# KiCad board first_keyboard.kicad_pcb (continued)
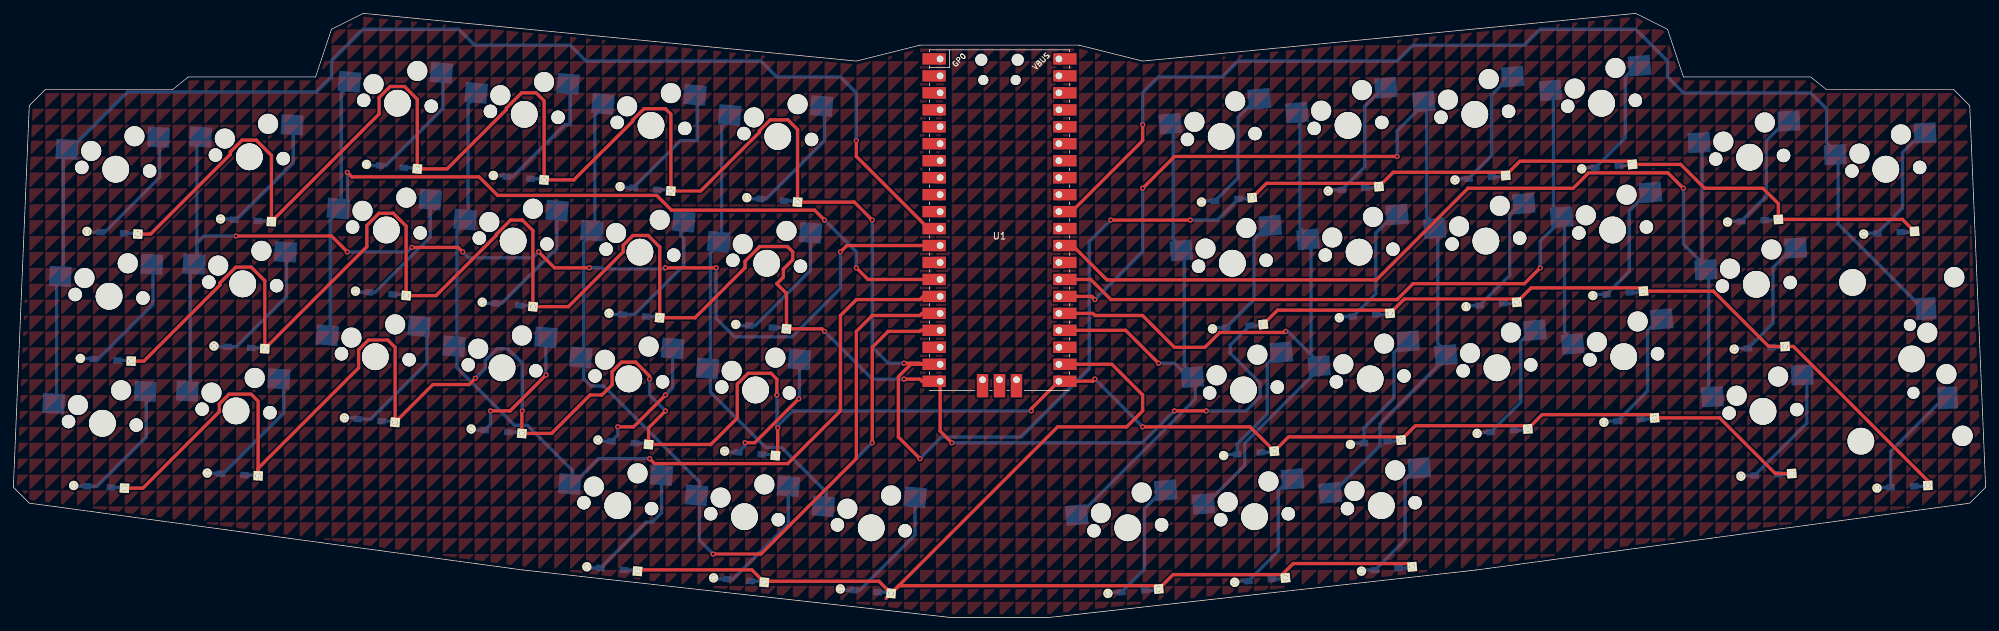
[diagram p0: board, top side]
## Copper pours and planes (outline as drawn; the poured copper is in the pictures) (continued)
(no net) on Top, Bottom: 300.04,71.44 300.04,69.06 302.42,71.44
(no net) on Top, Bottom: 295.27,54.77 295.27,52.39 297.66,54.77
(no net) on Top, Bottom: 102.39,19.05 102.39,16.67 104.77,19.05
(no net) on Top, Bottom: 140.49,-35.72 140.49,-38.1 142.88,-35.72
(no net) on Top, Bottom: 176.21,-30.96 176.21,-33.34 178.59,-30.96
(no net) on Top, Bottom: 164.31,57.15 164.31,54.77 166.69,57.15
(no net) on Top, Bottom: 4.76,104.78 4.76,102.39 7.14,104.78
(no net) on Top, Bottom: 195.26,7.14 195.26,4.76 197.64,7.14
(no net) on Top, Bottom: 69.06,-23.81 69.06,-26.19 71.44,-23.81
(no net) on Top, Bottom: 88.11,23.81 88.11,21.43 90.49,23.81
(no net) on Top, Bottom: 276.22,78.58 276.22,76.2 278.61,78.58
(no net) on Top, Bottom: 230.98,61.91 230.98,59.53 233.36,61.91
(no net) on Top, Bottom: 245.27,30.96 245.27,28.57 247.65,30.96
(no net) on Top, Bottom: 207.17,38.1 207.17,35.72 209.55,38.1
(no net) on Top, Bottom: 180.98,116.68 180.98,114.3 183.36,116.68
(no net) on Top, Bottom: 142.88,140.49 142.88,138.11 145.26,140.49
(no net) on Top, Bottom: 45.24,71.44 45.24,69.06 47.62,71.44
(no net) on Top, Bottom: 240.51,64.29 240.51,61.91 242.89,64.29
(no net) on Top, Bottom: 261.94,85.72 261.94,83.34 264.32,85.72
(no net) on Top, Bottom: 85.73,-9.53 85.73,-11.91 88.11,-9.53
(no net) on Top, Bottom: 107.16,19.05 107.16,16.67 109.54,19.05
(no net) on Top, Bottom: 28.58,116.68 28.58,114.3 30.96,116.68
(no net) on Top, Bottom: 173.83,78.58 173.83,76.2 176.21,78.58
(no net) on Top, Bottom: 283.37,97.63 283.37,95.25 285.75,97.63
(no net) on Top, Bottom: 164.31,-4.76 164.31,-7.14 166.69,-4.76
(no net) on Top, Bottom: 266.7,114.3 266.7,111.92 269.08,114.3
(no net) on Top, Bottom: 66.67,61.91 66.67,59.53 69.06,61.91
(no net) on Top, Bottom: 133.35,147.64 133.35,145.26 135.73,147.64
(no net) on Top, Bottom: 23.81,-4.76 23.81,-7.14 26.19,-4.76
(no net) on Top, Bottom: 247.65,145.26 247.65,142.88 250.03,145.26
(no net) on Top, Bottom: 140.49,116.68 140.49,114.3 142.88,116.68
(no net) on Top, Bottom: 154.78,128.59 154.78,126.21 157.16,128.59
(no net) on Top, Bottom: 107.16,38.1 107.16,35.72 109.54,38.1
(no net) on Top, Bottom: 69.06,130.97 69.06,128.59 71.44,130.97
(no net) on Top, Bottom: 283.37,38.1 283.37,35.72 285.75,38.1
(no net) on Top, Bottom: 28.58,92.87 28.58,90.49 30.96,92.87
(no net) on Top, Bottom: 38.1,104.78 38.1,102.39 40.48,104.78
(no net) on Top, Bottom: 223.84,40.48 223.84,38.1 226.22,40.48
(no net) on Top, Bottom: 278.61,-19.05 278.61,-21.43 280.99,-19.05
(no net) on Top, Bottom: 150.02,145.26 150.02,142.88 152.4,145.26
(no net) on Top, Bottom: 166.69,30.96 166.69,28.57 169.07,30.96
(no net) on Top, Bottom: 0,-35.72 0,-38.1 2.38,-35.72
(no net) on Top, Bottom: 176.21,59.53 176.21,57.15 178.59,59.53
(no net) on Top, Bottom: 173.83,76.2 173.83,73.82 176.21,76.2
(no net) on Top, Bottom: 33.34,83.34 33.34,80.96 35.72,83.34
(no net) on Top, Bottom: 69.06,-7.14 69.06,-9.53 71.44,-7.14
(no net) on Top, Bottom: 257.18,19.05 257.18,16.67 259.56,19.05
(no net) on Top, Bottom: 211.93,26.19 211.93,23.81 214.31,26.19
(no net) on Top, Bottom: 233.36,119.06 233.36,116.68 235.74,119.06
(no net) on Top, Bottom: 138.11,42.86 138.11,40.48 140.49,42.86
(no net) on Top, Bottom: 45.24,78.58 45.24,76.2 47.62,78.58
(no net) on Top, Bottom: 52.39,-26.19 52.39,-28.57 54.77,-26.19
(no net) on Top, Bottom: 145.26,-7.14 145.26,-9.53 147.64,-7.14
(no net) on Top, Bottom: 38.1,116.68 38.1,114.3 40.48,116.68
(no net) on Top, Bottom: 128.59,-35.72 128.59,-38.1 130.97,-35.72
(no net) on Top, Bottom: 252.41,-11.91 252.41,-14.29 254.79,-11.91
(no net) on Top, Bottom: 83.34,121.44 83.34,119.06 85.73,121.44
(no net) on Top, Bottom: 264.32,30.96 264.32,28.57 266.7,30.96
(no net) on Top, Bottom: 4.76,19.05 4.76,16.67 7.14,19.05
(no net) on Top, Bottom: 221.46,-33.34 221.46,-35.72 223.84,-33.34
(no net) on Top, Bottom: 126.21,11.91 126.21,9.53 128.59,11.91
(no net) on Top, Bottom: 140.49,26.19 140.49,23.81 142.88,26.19
(no net) on Top, Bottom: 97.63,40.48 97.63,38.1 100.01,40.48
(no net) on Top, Bottom: 288.13,135.73 288.13,133.35 290.51,135.73
(no net) on Top, Bottom: 228.6,76.2 228.6,73.82 230.98,76.2
(no net) on Top, Bottom: 92.87,85.72 92.87,83.34 95.25,85.72
(no net) on Top, Bottom: 238.12,47.62 238.12,45.24 240.51,47.62
(no net) on Top, Bottom: 173.83,102.39 173.83,100.01 176.21,102.39
(no net) on Top, Bottom: 252.41,71.44 252.41,69.06 254.79,71.44
(no net) on Top, Bottom: 300.04,2.38 300.04,0 302.42,2.38
(no net) on Top, Bottom: 83.34,97.63 83.34,95.25 85.73,97.63
(no net) on Top, Bottom: 273.84,121.44 273.84,119.06 276.22,121.44
(no net) on Top, Bottom: 288.13,102.39 288.13,100.01 290.51,102.39
(no net) on Top, Bottom: 80.96,85.72 80.96,83.34 83.34,85.72
(no net) on Top, Bottom: 192.88,88.11 192.88,85.72 195.26,88.11
(no net) on Top, Bottom: 216.69,71.44 216.69,69.06 219.07,71.44
(no net) on Top, Bottom: 45.24,133.35 45.24,130.97 47.62,133.35
(no net) on Top, Bottom: 111.92,85.72 111.92,83.34 114.3,85.72
(no net) on Top, Bottom: 7.14,38.1 7.14,35.72 9.53,38.1
(no net) on Top, Bottom: 161.93,66.68 161.93,64.29 164.31,66.68
(no net) on Top, Bottom: 154.78,-28.57 154.78,-30.96 157.16,-28.57
(no net) on Top, Bottom: 123.83,145.26 123.83,142.88 126.21,145.26
(no net) on Top, Bottom: 42.86,-35.72 42.86,-38.1 45.24,-35.72
(no net) on Top, Bottom: 16.67,64.29 16.67,61.91 19.05,64.29
(no net) on Top, Bottom: 100.01,19.05 100.01,16.67 102.39,19.05
(no net) on Top, Bottom: 264.32,2.38 264.32,0 266.7,2.38
(no net) on Top, Bottom: 23.81,-33.34 23.81,-35.72 26.19,-33.34
(no net) on Top, Bottom: 202.41,95.25 202.41,92.87 204.79,95.25
(no net) on Top, Bottom: 26.19,59.53 26.19,57.15 28.58,59.53
(no net) on Top, Bottom: 261.94,64.29 261.94,61.91 264.32,64.29
(no net) on Top, Bottom: 130.97,-26.19 130.97,-28.57 133.35,-26.19
(no net) on Top, Bottom: 33.34,28.57 33.34,26.19 35.72,28.57
(no net) on Top, Bottom: 19.05,80.96 19.05,78.58 21.43,80.96
(no net) on Top, Bottom: 64.29,73.82 64.29,71.44 66.67,73.82
(no net) on Top, Bottom: 92.87,121.44 92.87,119.06 95.25,121.44
(no net) on Top, Bottom: 100.01,0 100.01,-2.38 102.39,0
(no net) on Top, Bottom: 219.07,-26.19 219.07,-28.57 221.46,-26.19
(no net) on Top, Bottom: 152.4,45.24 152.4,42.86 154.78,45.24
(no net) on Top, Bottom: 33.34,9.53 33.34,7.14 35.72,9.53
(no net) on Top, Bottom: 33.34,0 33.34,-2.38 35.72,0
(no net) on Top, Bottom: 142.88,145.26 142.88,142.88 145.26,145.26
(no net) on Top, Bottom: 290.51,-35.72 290.51,-38.1 292.89,-35.72
(no net) on Top, Bottom: 197.64,130.97 197.64,128.59 200.02,130.97
(no net) on Top, Bottom: 97.63,35.72 97.63,33.34 100.01,35.72
(no net) on Top, Bottom: 159.54,30.96 159.54,28.57 161.93,30.96
(no net) on Top, Bottom: 259.56,109.54 259.56,107.16 261.94,109.54
(no net) on Top, Bottom: 169.07,107.16 169.07,104.78 171.45,107.16
(no net) on Top, Bottom: 183.36,14.29 183.36,11.91 185.74,14.29
(no net) on Top, Bottom: 278.61,88.11 278.61,85.72 280.99,88.11
(no net) on Top, Bottom: 69.06,133.35 69.06,130.97 71.44,133.35
(no net) on Top, Bottom: 126.21,0 126.21,-2.38 128.59,0
(no net) on Top, Bottom: 266.7,95.25 266.7,92.87 269.08,95.25
(no net) on Top, Bottom: 59.53,52.39 59.53,50.01 61.91,52.39
(no net) on Top, Bottom: 83.34,111.92 83.34,109.54 85.73,111.92
(no net) on Top, Bottom: 257.18,7.14 257.18,4.76 259.56,7.14
(no net) on Top, Bottom: 200.02,9.53 200.02,7.14 202.41,9.53
(no net) on Top, Bottom: 195.26,4.76 195.26,2.38 197.64,4.76
(no net) on Top, Bottom: 245.27,142.88 245.27,140.49 247.65,142.88
(no net) on Top, Bottom: 35.72,-30.96 35.72,-33.34 38.1,-30.96
(no net) on Top, Bottom: 226.22,140.49 226.22,138.11 228.6,140.49
(no net) on Top, Bottom: 123.83,-35.72 123.83,-38.1 126.21,-35.72
(no net) on Top, Bottom: 304.8,23.81 304.8,21.43 307.18,23.81
(no net) on Top, Bottom: 116.68,23.81 116.68,21.43 119.06,23.81
(no net) on Top, Bottom: 230.98,-7.14 230.98,-9.53 233.36,-7.14
(no net) on Top, Bottom: 11.91,90.49 11.91,88.11 14.29,90.49
(no net) on Top, Bottom: 235.74,121.44 235.74,119.06 238.12,121.44
(no net) on Top, Bottom: 9.53,100.01 9.53,97.63 11.91,100.01
(no net) on Top, Bottom: 304.8,78.58 304.8,76.2 307.18,78.58
(no net) on Top, Bottom: 283.37,54.77 283.37,52.39 285.75,54.77
(no net) on Top, Bottom: 164.31,-38.1 164.31,-40.48 166.69,-38.1
(no net) on Top, Bottom: 154.78,64.29 154.78,61.91 157.16,64.29
(no net) on Top, Bottom: 178.59,90.49 178.59,88.11 180.98,90.49
(no net) on Top, Bottom: 240.51,126.21 240.51,123.83 242.89,126.21
(no net) on Top, Bottom: 109.54,14.29 109.54,11.91 111.92,14.29
(no net) on Top, Bottom: 88.11,11.91 88.11,9.53 90.49,11.91
(no net) on Top, Bottom: 76.2,45.24 76.2,42.86 78.58,45.24
(no net) on Top, Bottom: 145.26,121.44 145.26,119.06 147.64,121.44
(no net) on Top, Bottom: 21.43,11.91 21.43,9.53 23.81,11.91
(no net) on Top, Bottom: 52.39,135.73 52.39,133.35 54.77,135.73
(no net) on Top, Bottom: 264.32,26.19 264.32,23.81 266.7,26.19
(no net) on Top, Bottom: 95.25,100.01 95.25,97.63 97.63,100.01
(no net) on Top, Bottom: 59.53,-23.81 59.53,-26.19 61.91,-23.81
(no net) on Top, Bottom: 297.66,47.62 297.66,45.24 300.04,47.62
(no net) on Top, Bottom: 107.16,-30.96 107.16,-33.34 109.54,-30.96
(no net) on Top, Bottom: 226.22,-14.29 226.22,-16.67 228.6,-14.29
(no net) on Top, Bottom: 109.54,-14.29 109.54,-16.67 111.92,-14.29
(no net) on Top, Bottom: 171.45,-30.96 171.45,-33.34 173.83,-30.96
(no net) on Top, Bottom: 126.21,-35.72 126.21,-38.1 128.59,-35.72
(no net) on Top, Bottom: 157.16,4.76 157.16,2.38 159.54,4.76
(no net) on Top, Bottom: 283.37,142.88 283.37,140.49 285.75,142.88
(no net) on Top, Bottom: 297.66,9.53 297.66,7.14 300.04,9.53
(no net) on Top, Bottom: 166.69,90.49 166.69,88.11 169.07,90.49
(no net) on Top, Bottom: 71.44,45.24 71.44,42.86 73.82,45.24
(no net) on Top, Bottom: 123.83,135.73 123.83,133.35 126.21,135.73
(no net) on Top, Bottom: 138.11,61.91 138.11,59.53 140.49,61.91
(no net) on Top, Bottom: 273.84,7.14 273.84,4.76 276.22,7.14
(no net) on Top, Bottom: 166.69,76.2 166.69,73.82 169.07,76.2
(no net) on Top, Bottom: 147.64,128.59 147.64,126.21 150.02,128.59
(no net) on Top, Bottom: 285.75,35.72 285.75,33.34 288.13,35.72
(no net) on Top, Bottom: 269.08,64.29 269.08,61.91 271.46,64.29
(no net) on Top, Bottom: 197.64,61.91 197.64,59.53 200.02,61.91
(no net) on Top, Bottom: 123.83,100.01 123.83,97.63 126.21,100.01
(no net) on Top, Bottom: 114.3,-30.96 114.3,-33.34 116.68,-30.96
(no net) on Top, Bottom: 154.78,69.06 154.78,66.68 157.16,69.06
(no net) on Top, Bottom: 69.06,90.49 69.06,88.11 71.44,90.49
(no net) on Top, Bottom: 40.48,104.78 40.48,102.39 42.86,104.78
(no net) on Top, Bottom: 278.61,35.72 278.61,33.34 280.99,35.72
(no net) on Top, Bottom: 95.25,126.21 95.25,123.83 97.63,126.21
(no net) on Top, Bottom: 2.38,35.72 2.38,33.34 4.76,35.72
(no net) on Top, Bottom: 195.26,73.82 195.26,71.44 197.64,73.82
(no net) on Top, Bottom: 252.41,130.97 252.41,128.59 254.79,130.97
(no net) on Top, Bottom: 259.56,85.72 259.56,83.34 261.94,85.72
(no net) on Top, Bottom: 97.63,111.92 97.63,109.54 100.01,111.92
(no net) on Top, Bottom: 11.91,-14.29 11.91,-16.67 14.29,-14.29
(no net) on Top, Bottom: 61.91,30.96 61.91,28.57 64.29,30.96
(no net) on Top, Bottom: 269.08,104.78 269.08,102.39 271.46,104.78
(no net) on Top, Bottom: 14.29,28.57 14.29,26.19 16.67,28.57
(no net) on Top, Bottom: 257.18,35.72 257.18,33.34 259.56,35.72
(no net) on Top, Bottom: 54.77,123.83 54.77,121.44 57.15,123.83
(no net) on Top, Bottom: 21.43,50.01 21.43,47.62 23.81,50.01
(no net) on Top, Bottom: 52.39,23.81 52.39,21.43 54.77,23.81
(no net) on Top, Bottom: 54.77,57.15 54.77,54.77 57.15,57.15
(no net) on Top, Bottom: 135.73,59.53 135.73,57.15 138.11,59.53
(no net) on Top, Bottom: 283.37,59.53 283.37,57.15 285.75,59.53
(no net) on Top, Bottom: 30.96,-21.43 30.96,-23.81 33.34,-21.43
(no net) on Top, Bottom: 21.43,97.63 21.43,95.25 23.81,97.63
(no net) on Top, Bottom: 38.1,80.96 38.1,78.58 40.48,80.96
(no net) on Top, Bottom: 78.58,7.14 78.58,4.76 80.96,7.14
(no net) on Top, Bottom: 264.32,-38.1 264.32,-40.48 266.7,-38.1
(no net) on Top, Bottom: 190.5,76.2 190.5,73.82 192.88,76.2
(no net) on Top, Bottom: 271.46,102.39 271.46,100.01 273.84,102.39
(no net) on Top, Bottom: 283.37,30.96 283.37,28.57 285.75,30.96
(no net) on Top, Bottom: 221.46,-2.38 221.46,-4.76 223.84,-2.38
(no net) on Top, Bottom: 183.36,133.35 183.36,130.97 185.74,133.35
(no net) on Top, Bottom: 257.18,-33.34 257.18,-35.72 259.56,-33.34
(no net) on Top, Bottom: 219.07,140.49 219.07,138.11 221.46,140.49
(no net) on Top, Bottom: 138.11,-4.76 138.11,-7.14 140.49,-4.76
(no net) on Top, Bottom: 164.31,2.38 164.31,0 166.69,2.38
(no net) on Top, Bottom: 19.05,71.44 19.05,69.06 21.43,71.44
(no net) on Top, Bottom: 169.07,119.06 169.07,116.68 171.45,119.06
(no net) on Top, Bottom: 235.74,78.58 235.74,76.2 238.12,78.58
(no net) on Top, Bottom: 197.64,133.35 197.64,130.97 200.02,133.35
(no net) on Top, Bottom: 76.2,140.49 76.2,138.11 78.58,140.49
(no net) on Top, Bottom: 216.69,-16.67 216.69,-19.05 219.07,-16.67
(no net) on Top, Bottom: 133.35,-38.1 133.35,-40.48 135.73,-38.1
(no net) on Top, Bottom: 250.03,-4.76 250.03,-7.14 252.41,-4.76
(no net) on Top, Bottom: 95.25,-19.05 95.25,-21.43 97.63,-19.05
(no net) on Top, Bottom: 223.84,133.35 223.84,130.97 226.22,133.35
(no net) on Top, Bottom: 100.01,107.16 100.01,104.78 102.39,107.16
(no net) on Top, Bottom: 95.25,128.59 95.25,126.21 97.63,128.59
(no net) on Top, Bottom: 230.98,-19.05 230.98,-21.43 233.36,-19.05
(no net) on Top, Bottom: 247.65,109.54 247.65,107.16 250.03,109.54
(no net) on Top, Bottom: 11.91,73.82 11.91,71.44 14.29,73.82
(no net) on Top, Bottom: 245.27,111.92 245.27,109.54 247.65,111.92
(no net) on Top, Bottom: 121.44,88.11 121.44,85.72 123.83,88.11
(no net) on Top, Bottom: 28.58,104.78 28.58,102.39 30.96,104.78
(no net) on Top, Bottom: 192.88,54.77 192.88,52.39 195.26,54.77
(no net) on Top, Bottom: 216.69,147.64 216.69,145.26 219.07,147.64
(no net) on Top, Bottom: 133.35,92.87 133.35,90.49 135.73,92.87
(no net) on Top, Bottom: 261.94,-19.05 261.94,-21.43 264.32,-19.05
(no net) on Top, Bottom: 102.39,16.67 102.39,14.29 104.77,16.67
(no net) on Top, Bottom: 283.37,52.39 283.37,50.01 285.75,52.39
(no net) on Top, Bottom: 295.27,-35.72 295.27,-38.1 297.66,-35.72
(no net) on Top, Bottom: 247.65,147.64 247.65,145.26 250.03,147.64
(no net) on Top, Bottom: 104.77,19.05 104.77,16.67 107.16,19.05
(no net) on Top, Bottom: 183.36,61.91 183.36,59.53 185.74,61.91
(no net) on Top, Bottom: 200.02,40.48 200.02,38.1 202.41,40.48
(no net) on Top, Bottom: 71.44,35.72 71.44,33.34 73.82,35.72
(no net) on Top, Bottom: 192.88,-28.57 192.88,-30.96 195.26,-28.57
(no net) on Top, Bottom: 261.94,61.91 261.94,59.53 264.32,61.91
(no net) on Top, Bottom: 102.39,61.91 102.39,59.53 104.77,61.91
(no net) on Top, Bottom: 283.37,57.15 283.37,54.77 285.75,57.15
(no net) on Top, Bottom: 290.51,107.16 290.51,104.78 292.89,107.16
(no net) on Top, Bottom: 157.16,-21.43 157.16,-23.81 159.54,-21.43
(no net) on Top, Bottom: 264.32,4.76 264.32,2.38 266.7,4.76
(no net) on Top, Bottom: 142.88,-2.38 142.88,-4.76 145.26,-2.38
(no net) on Top, Bottom: 221.46,116.68 221.46,114.3 223.84,116.68
(no net) on Top, Bottom: 252.41,9.53 252.41,7.14 254.79,9.53
(no net) on Top, Bottom: 157.16,14.29 157.16,11.91 159.54,14.29
(no net) on Top, Bottom: 50.01,73.82 50.01,71.44 52.39,73.82
(no net) on Top, Bottom: 302.42,11.91 302.42,9.53 304.8,11.91
(no net) on Top, Bottom: 219.07,78.58 219.07,76.2 221.46,78.58
(no net) on Top, Bottom: 295.27,121.44 295.27,119.06 297.66,121.44
(no net) on Top, Bottom: 61.91,104.78 61.91,102.39 64.29,104.78
(no net) on Top, Bottom: 235.74,-4.76 235.74,-7.14 238.12,-4.76
(no net) on Top, Bottom: 78.58,100.01 78.58,97.63 80.96,100.01
(no net) on Top, Bottom: 261.94,119.06 261.94,116.68 264.32,119.06
(no net) on Top, Bottom: 150.02,4.76 150.02,2.38 152.4,4.76
(no net) on Top, Bottom: 45.24,135.73 45.24,133.35 47.62,135.73
(no net) on Top, Bottom: 271.46,-19.05 271.46,-21.43 273.84,-19.05
(no net) on Top, Bottom: 302.42,23.81 302.42,21.43 304.8,23.81
(no net) on Top, Bottom: 42.86,109.54 42.86,107.16 45.24,109.54
(no net) on Top, Bottom: 223.84,121.44 223.84,119.06 226.22,121.44
(no net) on Top, Bottom: 114.3,126.21 114.3,123.83 116.68,126.21
(no net) on Top, Bottom: 257.18,121.44 257.18,119.06 259.56,121.44
(no net) on Top, Bottom: 80.96,50.01 80.96,47.62 83.34,50.01
(no net) on Top, Bottom: 266.7,104.78 266.7,102.39 269.08,104.78
(no net) on Top, Bottom: 147.64,76.2 147.64,73.82 150.02,76.2
(no net) on Top, Bottom: 80.96,35.72 80.96,33.34 83.34,35.72
(no net) on Top, Bottom: 66.67,47.62 66.67,45.24 69.06,47.62
(no net) on Top, Bottom: 238.12,-28.57 238.12,-30.96 240.51,-28.57
(no net) on Top, Bottom: 290.51,116.68 290.51,114.3 292.89,116.68
(no net) on Top, Bottom: 88.11,50.01 88.11,47.62 90.49,50.01
(no net) on Top, Bottom: 204.79,114.3 204.79,111.92 207.17,114.3
